# Altium PCB Copy of ToucanEyePCB.PcbDoc (part 2 of 3)
Units mil, origin at the board's own origin, x right, y up, seen from the top; angles counter-clockwise.
Board outline 2559.06 x 1377.95 mil, 6 copper layers (L1_Top Layer, L2_GND, L3_Signa1, L4_PWR/Signal2, L5_GND, L6_Bottom Layer), stack 35.685 mil thick; 192 components, 185 nets, 792 pads, 218 vias.
Unrouted connection lines stored in the file: 453.
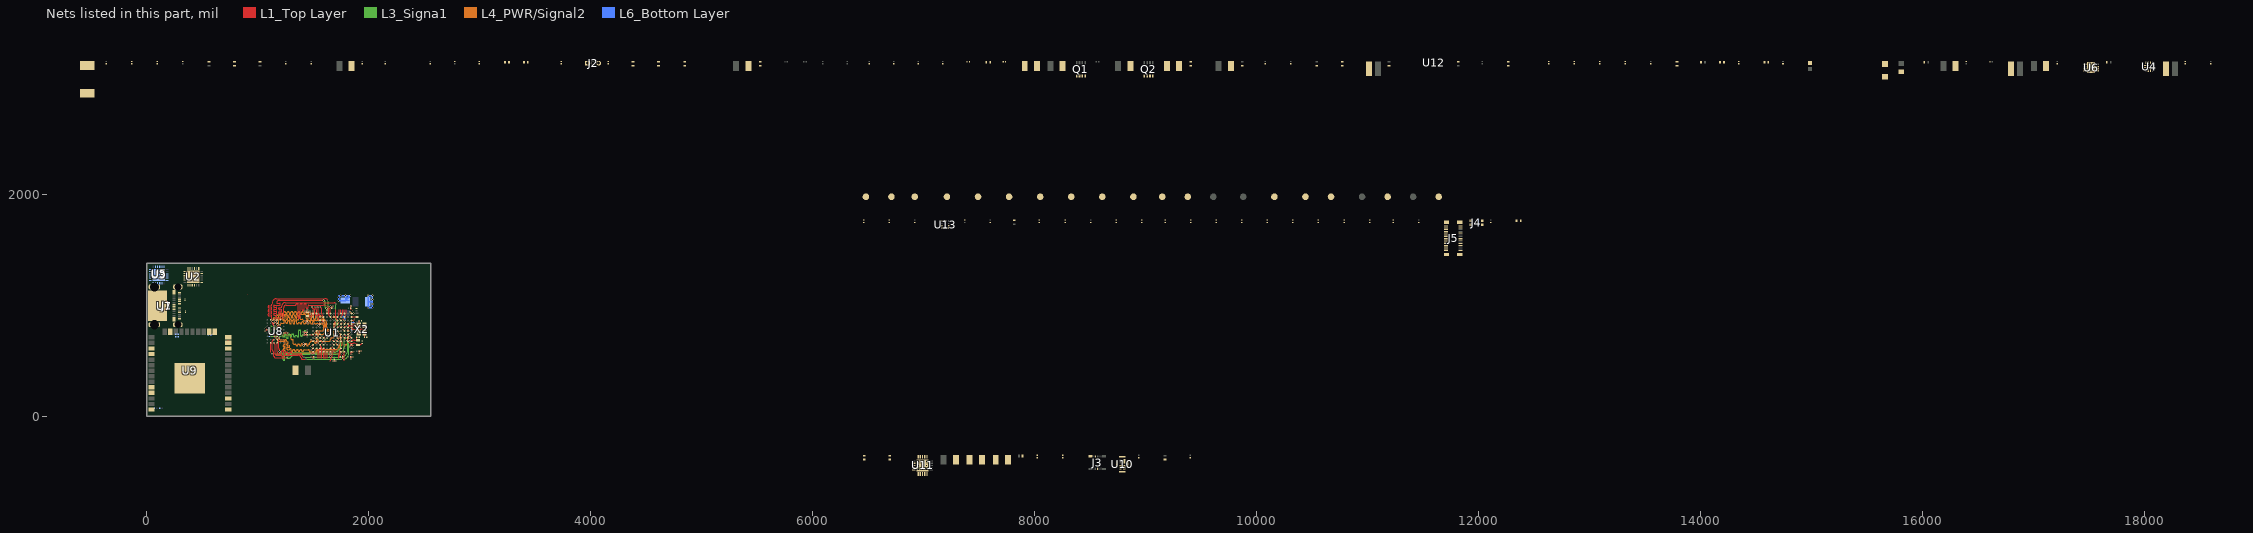
[diagram p6: the nets of this part, all layers, seen from the top]

## Part data (continued)
R45: "RES SMD 4.53K OHM 1% 1/20W 0201", Case/Package=0201, Case Code (Metric)=0603, Manufacturer=Panasonic, Manufacturer Part Number=ERJ-1GNF4531C, Max Operating Temperature=125°C, Max Power Dissipation=50mW, Min Operating Temperature=-55°C, Package Quantity=15000, Resistance=4.53kR, Supplier Part Number 1=667-ERJ-1GNF4531C, Temperature Coefficient=200ppm/°C, Tolerance=1%, Voltage Rating=25V, *PCBChecked=1, *SCHChecked=1, Case Code (Imperial)=0201, ComponentLink1Description=http://www.onlinecomponents.com/datasheet/erj-1gnf4531c.aspx?p=44466654, ComponentLink1URL=http://www.onlinecomponents.com/datasheet/erj-1gnf4531c.aspx?p=44466654, ComponentLink2Description=http://www.mouser.com/ds/2/315/AOA0000C283-1093288.pdf, ComponentLink2URL=http://www.mouser.com/ds/2/315/AOA0000C283-1093288.pdf, ComponentLink3Description=http://industrial.panasonic.com/www-cgi/jvcr13pz.cgi?E+PZ+3+AOA0002+ERJ1GNF4531C+7+WW, ComponentLink3URL=http://industrial.panasonic.com/www-cgi/jvcr13pz.cgi?E+PZ+3+AOA0002+ERJ1GNF4531C+7+WW, Composition="Thick Film", Contact Plating=Tin,Matte, Height=0.01inch, Length=0.024inch, Mount="Surface Mount", Number of Terminations=2, Packaging="Tape and Reel", Power Rating=50mW, Pricing 1="1=0.49, 10=0.045, 50=0.045, 100=0.018, 1000=0.013, 10000=0.007 (USD)", Radiation Hardening=No, Stock 1=33600, Supplier 1=Mouser, Width=0.012inch
R47: "RESISTOR, 0201, 0.05W, 1%, 470R", Case/Package=0201, Case Code (Metric)=0603, Manufacturer="Panasonic ECG", Manufacturer Part Number=ERJ-1GNF4700C, Max Operating Temperature=125°C, Max Power Dissipation=50mW, Min Operating Temperature=-55°C, Package Quantity=15000, Resistance=470R, Supplier Part Number 1=667-ERJ-1GNF4700C, Temperature Coefficient=200ppm/°C, Tolerance=1%, Voltage Rating=25V, *PCBChecked=1, *SCHChecked=1, Case Code (Imperial)=0201, ComponentLink1Description=https://datasheet.ciiva.com/43467/1678782-43467046.pdf, ComponentLink1URL=https://datasheet.ciiva.com/43467/1678782-43467046.pdf, ComponentLink2Description=https://datasheet.ciiva.com/7830/1678782-7830713.pdf, ComponentLink2URL=https://datasheet.ciiva.com/7830/1678782-7830713.pdf, ComponentLink3Description=https://datasheet.ciiva.com/24027/aoa0000ce2-24027045.pdf, ComponentLink3URL=https://datasheet.ciiva.com/24027/aoa0000ce2-24027045.pdf, ComponentLink4Description=https://datasheet.ciiva.com/46375/1678782-46375269.pdf, ComponentLink4URL=https://datasheet.ciiva.com/46375/1678782-46375269.pdf, Composition="Thick Film", Contact Plating=Tin,Matte, Height=0.01inch, Length=0.6mm, Mount="Surface Mount", Number of Pins=2, Number of Terminations=2, Packaging="Tape and Reel", Power Rating=50mW, Pricing 1="1=0.43, 10=0.039, 50=0.039, 100=0.016, 1000=0.011, 10000=0.006 (USD)", Radiation Hardening=No, REACH SVHC="No SVHC", Stock 1=65914, Supplier 1=Mouser, Voltage Rating (DC)=25V, Width=0.3mm
R49: "RESISTOR, 0201, 0.05W, 1%, 100R", Case/Package=0201, Case Code (Metric)=0603, Manufacturer="Panasonic ECG", Manufacturer Part Number=ERJ-1GNF1000C, Max Operating Temperature=125°C, Max Power Dissipation=50mW, Min Operating Temperature=-55°C, Package Quantity=15000, Resistance=100R, Supplier Part Number 1=667-ERJ-1GNF1000C, Temperature Coefficient=200ppm/°C, Tolerance=1%, Voltage Rating=25V, Case Code (Imperial)=0201, ComponentLink1Description=https://datasheet.ciiva.com/28514/1678782-28514079.pdf, ComponentLink1URL=https://datasheet.ciiva.com/28514/1678782-28514079.pdf, ComponentLink2Description=https://datasheet.ciiva.com/24162/aoa0000ce2-24162875.pdf, ComponentLink2URL=https://datasheet.ciiva.com/24162/aoa0000ce2-24162875.pdf, ComponentLink3Description=https://datasheet.ciiva.com/43467/1678782-43467030.pdf, ComponentLink3URL=https://datasheet.ciiva.com/43467/1678782-43467030.pdf, Composition="Thick Film", Contact Plating=Tin,Matte, Depth=0.3mm, Height=0.01inch, Lead Free="Lead Free", Length=0.6mm, Military Standard=Not, Mount="Surface Mount", Number of Pins=2, Number of Terminations=2, Packaging="Tape and Reel", Power Rating=50mW, Pricing 1="1=0.49, 10=0.045, 50=0.045, 100=0.018, 1000=0.013, 10000=0.007 (USD)", Radiation Hardening=No, REACH SVHC="No SVHC", Stock 1=169245, Supplier 1=Mouser, Termination=SMD/SMT, Voltage Rating (DC)=25V, Weight=6E-06oz, Width=0.012inch
R51 R52 R53 R54 R55 R56 R57 R58 R59 R60 R61 R62 R63 R64: "RESISTOR, 0201, 0.05W, 1%, 22R", Case/Package=0201, Case Code (Metric)=0603, Manufacturer="Panasonic ECG", Manufacturer Part Number=ERJ-1GNF22R0C, Max Operating Temperature=125°C, Max Power Dissipation=50mW, Min Operating Temperature=-55°C, Package Quantity=15000, Resistance=22R, Supplier Part Number 1=667-ERJ-1GNF22R0C, Temperature Coefficient=200ppm/°C, Tolerance=1%, Voltage Rating=25V, *PCBChecked=1, *SCHChecked=1, Case Code (Imperial)=0201, ComponentLink1Description=https://datasheet.ciiva.com/22737/1678782-22737559.pdf, ComponentLink1URL=https://datasheet.ciiva.com/22737/1678782-22737559.pdf, ComponentLink2Description=https://datasheet.ciiva.com/24023/aoa0000ce2-24023549.pdf, ComponentLink2URL=https://datasheet.ciiva.com/24023/aoa0000ce2-24023549.pdf, ComponentLink3Description=https://datasheet.ciiva.com/46375/1678782-46375727.pdf, ComponentLink3URL=https://datasheet.ciiva.com/46375/1678782-46375727.pdf, ComponentLink4Description=https://datasheet.ciiva.com/22737/1678782-22737558.pdf, ComponentLink4URL=https://datasheet.ciiva.com/22737/1678782-22737558.pdf, ComponentLink5Description=https://datasheet.ciiva.com/43467/1678782-43467014.pdf, ComponentLink5URL=https://datasheet.ciiva.com/43467/1678782-43467014.pdf, ComponentLink6Description=https://datasheet.ciiva.com/7909/aoa0000ce2-7909159.pdf, ComponentLink6URL=https://datasheet.ciiva.com/7909/aoa0000ce2-7909159.pdf, Composition="Thick Film", Height=0.01inch, Length=0.6mm, Mount="Surface Mount", Number of Pins=2, Number of Terminations=2, Packaging="Tape and Reel", Power Rating=50mW, Pricing 1="1=0.49, 10=0.045, 50=0.045, 100=0.018, 1000=0.013, 10000=0.007 (USD)", Radiation Hardening=No, REACH SVHC="No SVHC", Stock 1=64894, Supplier 1=Mouser, Voltage Rating (DC)=25V, Width=0.012inch
U2: Manufacturer=STMicroelectronics, Supplier Part Number 1=511-STUSB1602AQTR, *PCBChecked=1, *SCHChecked=1, Manufacturer Part Number=STUSB1602AQTR, Pricing 1="1=2.21, 10=1.88, 50=1.88, 100=1.5, 1000=1.09, 10000=0.976 (USD)", Stock 1=495, Supplier 1=Mouser
U3: "IC BATT CHARGER LI-ION 24VQFN", Case/Package=VQFN, Manufacturer="Texas Instruments", Max Operating Temperature=85°C, Max Output Current=4A, Max Output Voltage=4.2V, Max Supply Voltage=10.5V, Min Operating Temperature=-40°C, Min Supply Voltage=4.35V, Operating Supply Current=2A, Output Voltage=4.44V, Package Quantity=250, Supplier Part Number 1=595-BQ24250RGET, Switching Frequency=3kHz, ComponentLink1Description=https://datasheet.ciiva.com/18617/bq24250-18617532.pdf, ComponentLink1URL=https://datasheet.ciiva.com/18617/bq24250-18617532.pdf, ComponentLink2Description=https://datasheet.ciiva.com/30017/bq24250-30017517.pdf, ComponentLink2URL=https://datasheet.ciiva.com/30017/bq24250-30017517.pdf, ComponentLink3Description=https://datasheet.ciiva.com/18617/bq24250-18617531.pdf, ComponentLink3URL=https://datasheet.ciiva.com/18617/bq24250-18617531.pdf, ComponentLink4Description=https://datasheet.ciiva.com/30017/bq24250-30017529.pdf, ComponentLink4URL=https://datasheet.ciiva.com/30017/bq24250-30017529.pdf, ComponentLink5Description=https://datasheet.ciiva.com/18617/bq24250-18617530.pdf, ComponentLink5URL=https://datasheet.ciiva.com/18617/bq24250-18617530.pdf, Contact Plating=Nickel,Gold, Height=0.95mm, Lead Free="Lead Free", Length=4.15mm, Manufacturer Part Number=BQ24250RGET, Mount="Surface Mount", Number of Cells=1, Number of Pins=24, Output Current=2A, Packaging="Tape and Reel", Pricing 1="1=3.35, 10=3.02, 50=3.02, 100=2.47, 1000=1.78, 10000=1.69 (USD)", Radiation Hardening=No, Stock 1=3414, Supplier 1=Mouser, Width=4.15mm
U4: "TEXAS INSTRUMENTS         TPS62097RWKT             DC-DC Switching Buck (Step Down) Regulator, Adj., 2.5V-6Vin, 800mV-6V/2A out, 2.5 MHz, VQFN-11", Manufacturer="Texas Instruments", Max Input Voltage=6V, Max Operating Temperature=125°C, Min Input Voltage=2.5V, Min Operating Temperature=-40°C, Min Output Voltage=800mV, Output Current=2A, Quiescent Current=40uA, Supplier Part Number 1=595-TPS62097RWKT, Switching Frequency=2.5MHz, *PCBChecked=1, *SCHChecked=1, ComponentLink1Description=http://www.ti.com/general/docs/lit/getliterature.tsp?genericPartNumber=TPS62097&&fileType=pdf, ComponentLink1URL=http://www.ti.com/general/docs/lit/getliterature.tsp?genericPartNumber=TPS62097&&fileType=pdf, ComponentLink2Description=http://www.ti.com/lit/gpn/tps62097, ComponentLink2URL=http://www.ti.com/lit/gpn/tps62097, ComponentLink3Description=http://www.ti.com/lit/ds/symlink/tps62097.pdf, ComponentLink3URL=http://www.ti.com/lit/ds/symlink/tps62097.pdf, Lead Free="Lead Free", Manufacturer Part Number=TPS62097RWKT, Max Output Voltage=6V, Mount="Surface Mount", Number of Outputs=1, Number of Pins=11, Output Voltage=6V, Packaging="Cut Tape", Pricing 1="1=2.21, 10=1.88, 50=1.88, 100=1.5, 1000=1.09, 10000=0.974 (USD)", REACH SVHC="No SVHC", Stock 1=2062, Supplier 1=Mouser, Synchronous Rectifier=Yes
U5: "TEXAS INSTRUMENTS         BQ27532YZFT-G1             BATT GAS GAUGE & CTRL, LI-ION, DSBGA-15", Capacity=14500mAh, Manufacturer="Texas Instruments", Max Operating Temperature=85°C, Max Supply Voltage=4.5V, Min Operating Temperature=-40°C, Min Supply Voltage=2.8V, Operating Supply Current=118uA, Output Voltage=2.6V, Package Quantity=250, Supplier Part Number 1=595-BQ27532YZFT-G1, *PCBChecked=1, *SCHChecked=1, ComponentLink1Description=http://www.ti.com/lit/ds/symlink/bq27532-g1.pdf, ComponentLink1URL=http://www.ti.com/lit/ds/symlink/bq27532-g1.pdf, ComponentLink2Description=http://www.ti.com/general/docs/lit/getliterature.tsp?genericPartNumber=BQ27532-G1&&fileType=pdf, ComponentLink2URL=http://www.ti.com/general/docs/lit/getliterature.tsp?genericPartNumber=BQ27532-G1&&fileType=pdf, ComponentLink3Description=http://www.ti.com/general/docs/lit/getliterature.tsp?genericPartNumber=BQ27532-G1&amp;&amp;fileType=pdf, ComponentLink3URL=http://www.ti.com/general/docs/lit/getliterature.tsp?genericPartNumber=BQ27532-G1&amp;&amp;fileType=pdf, ComponentLink4Description=http://www.ti.com/lit/gpn/bq27532-g1, ComponentLink4URL=http://www.ti.com/lit/gpn/bq27532-g1, Contact Plating=Copper,Tin,Silver, Interface=I2C, Lead Free="Lead Free", Manufacturer Part Number=BQ27532YZFT-G1, Mount="Surface Mount", Number of Cells=1, Number of Pins=15, Packaging="Tape and Reel", Pricing 1="1=3.26, 10=2.93, 50=2.93, 100=2.4, 1000=1.73, 10000=1.58 (USD)", REACH SVHC="No SVHC", Stock 1=455, Supplier 1=Mouser
U6: "IC REG BUCK ADJ 0.7A 8VFQFPN", Manufacturer=STMicroelectronics, Max Input Voltage=18V, Max Operating Temperature=125°C, Max Output Current=700mA, Min Input Voltage=2.9V, Min Operating Temperature=-40°C, Min Output Voltage=600mV, Package Quantity=4000, Supplier Part Number 1=511-L5980TR, Switching Frequency=1MHz, *PCBChecked=1, *SCHChecked=1, ComponentLink1Description=https://datasheet.ciiva.com/4905/cd00148425-113999-4905896.pdf, ComponentLink1URL=https://datasheet.ciiva.com/4905/cd00148425-113999-4905896.pdf, ComponentLink2Description=https://datasheet.ciiva.com/16389/cd00148425-16389876.pdf, ComponentLink2URL=https://datasheet.ciiva.com/16389/cd00148425-16389876.pdf, ComponentLink3Description=https://datasheet.ciiva.com/41457/001185679-da-01-en-ic-reg-buck-adj-0-7a-l5980tr-vqfn-8-stm-41457535.pdf, ComponentLink3URL=https://datasheet.ciiva.com/41457/001185679-da-01-en-ic-reg-buck-adj-0-7a-l5980tr-vqfn-8-stm-41457535.pdf, ComponentLink4Description=https://datasheet.ciiva.com/26900/l5980tr-26900853.pdf, ComponentLink4URL=https://datasheet.ciiva.com/26900/l5980tr-26900853.pdf, ComponentLink5Description=https://datasheet.ciiva.com/2025/cd00148425-2025471.pdf, ComponentLink5URL=https://datasheet.ciiva.com/2025/cd00148425-2025471.pdf, ComponentLink6Description=https://datasheet.ciiva.com/17295/cd00148425-17295514.pdf, ComponentLink6URL=https://datasheet.ciiva.com/17295/cd00148425-17295514.pdf, ComponentLink7Description=https://datasheet.ciiva.com/2025/cd00148425-2025469.pdf, ComponentLink7URL=https://datasheet.ciiva.com/2025/cd00148425-2025469.pdf, ComponentLink8Description=https://datasheet.ciiva.com/2025/cd00148425-2025470.pdf, ComponentLink8URL=https://datasheet.ciiva.com/2025/cd00148425-2025470.pdf, Lead Free="Lead Free", Manufacturer Part Number=L5980TR, Max Output Voltage=18V, Mount="Surface Mount", Number of Outputs=1, Number of Pins=8, Operating Supply Voltage=18V, Output Current=700mA, Output Voltage=18V, Packaging="Tape and Reel", Pricing 1="1=2.27, 10=1.93, 50=1.93, 100=1.55, 1000=1.12, 10000=0.964 (USD)", Radiation Hardening=No, Stock 1=3724, Supplier 1=Mouser, Synchronous Rectifier=No
U7: "TVS DIODE 5.25VWM 17VC SOT666", Breakdown Voltage=6V, Capacitance=3.5pF, Case/Package=SOT-666, Clamping Voltage=17V, Leakage Current=150nA, Manufacturer=STMicroelectronics, Max Operating Temperature=125°C, Min Operating Temperature=-40°C, Operating Supply Voltage=5V, Package Quantity=1, Peak Pulse Current=5A, Power Line Protection=Yes, Supplier Part Number 1=511-USBLC6-2P6, Test Current=1mA, *PCBChecked=1, *SCHChecked=1, ComponentLink1Description=https://datasheet.ciiva.com/15143/getdatasheetpartid-98673-15143462.pdf, ComponentLink1URL=https://datasheet.ciiva.com/15143/getdatasheetpartid-98673-15143462.pdf, ComponentLink2Description=https://datasheet.ciiva.com/14186/usblc6-2-st-eng-tds-14186568.pdf, ComponentLink2URL=https://datasheet.ciiva.com/14186/usblc6-2-st-eng-tds-14186568.pdf, ComponentLink3Description=https://datasheet.ciiva.com/16378/cd00050750-16378714.pdf, ComponentLink3URL=https://datasheet.ciiva.com/16378/cd00050750-16378714.pdf, ComponentLink4Description=https://datasheet.ciiva.com/4508/cd00050750-4508892.pdf, ComponentLink4URL=https://datasheet.ciiva.com/4508/cd00050750-4508892.pdf, ComponentLink5Description=https://datasheet.ciiva.com/22685/1690354-22685832.pdf, ComponentLink5URL=https://datasheet.ciiva.com/22685/1690354-22685832.pdf, ComponentLink6Description=https://datasheet.ciiva.com/22692/1690354-22692453.pdf, ComponentLink6URL=https://datasheet.ciiva.com/22692/1690354-22692453.pdf, ComponentLink7Description=https://datasheet.ciiva.com/41444/001184108-da-01-en-ic-esd-protection-usblc6-2p6-sot-666-stm-41444134.pdf, ComponentLink7URL=https://datasheet.ciiva.com/41444/001184108-da-01-en-ic-esd-protection-usblc6-2p6-sot-666-stm-41444134.pdf, Contact Plating=Tin,Matte, Depth=1.3mm, Direction=Unidirectional,Bidirectional, Element Configuration=Dual, ESD Protection=Yes, Height=0.6mm, Lead Free="Lead Free", Length=1.7mm, Manufacturer Part Number=USBLC6-2P6, Max Breakdown Voltage=6V, Max Reverse Leakage Current=150nA, Min Breakdown Voltage=6V, Mount="Surface Mount", Number of Bidirectional Channels=2, Number of Channels=2, Number of Elements=1, Number of Pins=6, Packaging="Tape and Reel", Polarity=Unidirectional,Bidirectional, Pricing 1="1=0.49, 10=0.405, 50=0.405, 100=0.247, 1000=0.191, 10000=0.152 (USD)", Radiation Hardening=No, REACH SVHC="No SVHC", Reverse Breakdown Voltage=6V, Reverse Standoff Voltage=5V, Stock 1=6872, Supplier 1=Mouser, Termination=SMD/SMT, Width=1.3mm, Working Voltage=5V
U8: "PSRAM Async 64M-Bit 4M x 16 70ns 48-Pin TFBGA", Case/Package=TFBGA, Manufacturer=ISSI, Max Operating Temperature=85°C, Min Operating Temperature=-40°C, Supplier Part Number 1=870-66E4M16EBLL70BLI, *PCBChecked=1, *SCHChecked=1, Address Bus Width=22b, ComponentLink1Description=http://www.mouser.com/ds/2/198/66-67WVE4M16EALL-BLL-CLL-462616.pdf, ComponentLink1URL=http://www.mouser.com/ds/2/198/66-67WVE4M16EALL-BLL-CLL-462616.pdf, ComponentLink2Description=http://www.issi.com/WW/pdf/66-67WVE4M16EALL-BLL-CLL.pdf, ComponentLink2URL=http://www.issi.com/WW/pdf/66-67WVE4M16EALL-BLL-CLL.pdf, Density=64Mb, Manufacturer Part Number=IS66WVE4M16EBLL-70BLI, Number of Ports=1, Pricing 1="1=4.47, 10=3.94, 50=3.94, 100=3.53, 1000=3.01, 10000=2.85 (USD)", Stock 1=3544, Supplier 1=Mouser
U10: "MIC MEMS DIGITAL PDM OMNI -26DB", Manufacturer=STMicroelectronics, Max Operating Temperature=85°C, Max Supply Voltage=3.6V, Min Operating Temperature=-40°C, Min Supply Voltage=1.64V, Operating Supply Current=600uA, Operating Supply Voltage=1.8V, Package Quantity=4000, Supplier Part Number 1=511-MP34DT01TR, *PCBChecked=1, *SCHChecked=1, ComponentLink1Description=https://datasheet.ciiva.com/15098/getdatasheetpartid-495516-15098984.pdf, ComponentLink1URL=https://datasheet.ciiva.com/15098/getdatasheetpartid-495516-15098984.pdf, ComponentLink2Description=https://datasheet.ciiva.com/5300/dm00039779-100783-5300131.pdf, ComponentLink2URL=https://datasheet.ciiva.com/5300/dm00039779-100783-5300131.pdf, ComponentLink3Description=https://datasheet.ciiva.com/1/dm00039779-1998.pdf, ComponentLink3URL=https://datasheet.ciiva.com/1/dm00039779-1998.pdf, ComponentLink4Description=https://datasheet.ciiva.com/1/dm00039779-1997.pdf, ComponentLink4URL=https://datasheet.ciiva.com/1/dm00039779-1997.pdf, ComponentLink5Description=https://datasheet.ciiva.com/1/dm00039779-1996.pdf, ComponentLink5URL=https://datasheet.ciiva.com/1/dm00039779-1996.pdf, Contact Plating=Nickel,Gold, Depth=1mm, Direction=Omnidirectional, Height=1.1mm, Lead Free="Lead Free", Length=4mm, Manufacturer Part Number=MP34DT01TR, Number of Channels=2, Output Type=Digital, Packaging="Tape and Reel", Pricing 1="1=1.48, 10=1.25, 50=1.25, 100=1, 1000=0.725, 10000=0.625 (USD)", Shape=Rectangular, Signal to Noise Ratio (SNR)=63dB, Stock 1=10769, Supplier 1=Mouser, Termination=SMD/SMT, Voltage Rating=3.6V, Width=3mm
U11: "IC AMP AUDIO PWR 1.5W D 20QFN", Case/Package="VQFN EP", Dual Supply Voltage=5V, Manufacturer="Texas Instruments", Max Dual Supply Voltage=5.5V, Max Operating Temperature=85°C, Max Output Power=1.5W, Max Power Dissipation=2.5W, Min Operating Temperature=-40°C, Package Quantity=1, Power Supply Rejection Ratio (PSRR)=-91dB, Supplier Part Number 1=595-TPA2014D1RGPT, Voltage Gain=20dB, *PCBChecked=1, *SCHChecked=1, Common Mode Rejection Ratio=75dB, ComponentLink1Description=https://datasheet.ciiva.com/26117/slas559a-26117109.pdf, ComponentLink1URL=https://datasheet.ciiva.com/26117/slas559a-26117109.pdf, ComponentLink2Description=https://datasheet.ciiva.com/15131/getdatasheetpartid-48210-15131592.pdf, ComponentLink2URL=https://datasheet.ciiva.com/15131/getdatasheetpartid-48210-15131592.pdf, ComponentLink3Description=https://datasheet.ciiva.com/2969/tpa2014d1-2969824.pdf, ComponentLink3URL=https://datasheet.ciiva.com/2969/tpa2014d1-2969824.pdf, ComponentLink4Description=https://datasheet.ciiva.com/1789/tpa2014d1-1789239.pdf, ComponentLink4URL=https://datasheet.ciiva.com/1789/tpa2014d1-1789239.pdf, ComponentLink5Description=https://datasheet.ciiva.com/1789/tpa2014d1-1789237.pdf, ComponentLink5URL=https://datasheet.ciiva.com/1789/tpa2014d1-1789237.pdf, ComponentLink6Description=https://datasheet.ciiva.com/2967/tpa2014d1-2967858.pdf, ComponentLink6URL=https://datasheet.ciiva.com/2967/tpa2014d1-2967858.pdf, ComponentLink7Description=https://datasheet.ciiva.com/1789/tpa2014d1-1789238.pdf, ComponentLink7URL=https://datasheet.ciiva.com/1789/tpa2014d1-1789238.pdf, ComponentLink8Description=https://datasheet.ciiva.com/48706/001071077-da-01-en-ic-amp-audio-pw-tpa2014d1rgpt-qfn-20-tid-48706871.pdf, ComponentLink8URL=https://datasheet.ciiva.com/48706/001071077-da-01-en-ic-amp-audio-pw-tpa2014d1rgpt-qfn-20-tid-48706871.pdf, Gain=20dB, Lead Free="Lead Free", Manufacturer Part Number=TPA2014D1RGPT, Number of Pins=20, Output Power=1.5W, Packaging="Tape and Reel", Power Dissipation=2.5W, Pricing 1="1=2.27, 10=1.93, 50=1.93, 100=1.54, 1000=1.12, 10000=1.01 (USD)", Radiation Hardening=No, Stock 1=117, Supplier 1=Mouser, Supply Type=Dual, Weight=0.00163oz
U12: "LDO Voltage Regulators 200mA Lo IQ Lo-Noise LDO Reg", Dropout Voltage=250mV, Manufacturer="Texas Instruments", Max Input Voltage=6V, Max Operating Temperature=125°C, Max Power Dissipation=714mW, Min Current Limit=260mA, Min Input Voltage=2V, Min Operating Temperature=-40°C, Output Current=200mA, Output Voltage=1.5V, Package Quantity=250, Power Supply Rejection Ratio (PSRR)=80dB, Quiescent Current=30uA, Supplier Part Number 1=595-TLV70515YFPT, *PCBChecked=1, *SCHChecked=1, ComponentLink1Description=http://www.ti.com/lit/gpn/tlv705, ComponentLink1URL=http://www.ti.com/lit/gpn/tlv705, ComponentLink2Description=http://www.ti.com/lit/ds/symlink/tlv705.pdf, ComponentLink2URL=http://www.ti.com/lit/ds/symlink/tlv705.pdf, Lead Free="Lead Free", Manufacturer Part Number=TLV70515YFPT, Mount="Surface Mount", Number of Outputs=1, Number of Pins=4, Number of Regulators=1, Packaging="Tape and Reel", Pricing 1="1=0.62, 10=0.513, 50=0.513, 100=0.313, 1000=0.242, 10000=0.192 (USD)", Stock 1=250, Supplier 1=Mouser
U13: Manufacturer=STMicroelectronics, Supplier Part Number 1=511-LIS2DW12TR, *PCBChecked=1, *SCHChecked=1, Manufacturer Part Number=LIS2DW12TR, Stock 1=0, Supplier 1=Mouser
X1: "32.768kHz ±20ppm Crystal 9pF 90 kOhm -40°C ~ 85°C  Surface Mount 2-SMD", Case/Package=SMD/SMT, ESR (Equivalent Series Resistance)=90kR, Frequency=32.768kHz, Frequency Tolerance=20ppm, Load Capacitance=9pF, Manufacturer=Abracon, Max Operating Temperature=85°C, Min Operating Temperature=-40°C, Package Quantity=3000, Supplier Part Number 1=815-ABS05-32.768K9T, *PCBChecked=1, *SCHChecked=1, ComponentLink1Description=https://datasheet.ciiva.com/12387/abs05-25797-12387306.pdf, ComponentLink1URL=https://datasheet.ciiva.com/12387/abs05-25797-12387306.pdf, ComponentLink2Description=https://datasheet.ciiva.com/48668/abs05-48668569.pdf, ComponentLink2URL=https://datasheet.ciiva.com/48668/abs05-48668569.pdf, ComponentLink3Description=https://datasheet.ciiva.com/16411/abs05-16411147.pdf, ComponentLink3URL=https://datasheet.ciiva.com/16411/abs05-16411147.pdf, ComponentLink4Description=https://datasheet.ciiva.com/6728/abs05-6728951.pdf, ComponentLink4URL=https://datasheet.ciiva.com/6728/abs05-6728951.pdf, ComponentLink5Description=https://datasheet.ciiva.com/6728/abs05-6728952.pdf, ComponentLink5URL=https://datasheet.ciiva.com/6728/abs05-6728952.pdf, ComponentLink6Description=https://datasheet.ciiva.com/6728/abs05-6728953.pdf, ComponentLink6URL=https://datasheet.ciiva.com/6728/abs05-6728953.pdf, Depth=1mm, Height=0.02inch, Lead Free="Lead Free", Length=1.6mm, Manufacturer Part Number=ABS05-32.768KHZ-9-T, Mount="Surface Mount", Number of Pins=2, Packaging="Tape and Reel", Pricing 1="1=1.6, 10=1.54, 50=1.51, 100=1.29, 1000=1.01, 10000=0.885 (USD)", Radiation Hardening=No, REACH SVHC="No SVHC", Series Resistance=90kR, Stock 1=11805, Supplier 1=Mouser, Termination=SMD/SMT, Tolerance=20ppm, Width=0.039inch
X2: Freq=16MHz, Manufacturer="Kyocera AVX", Supplier Part Number 1=581-CX2520DB16F0FDFC, *PCBChecked=1, *SCHChecked=1, Manufacturer Part Number=CX2520DB16000F0FDFC1, Stock 1=0, Supplier 1=Mouser
J2 TP1 TP2 TP3 TP4 TP5 TP6 TP7 TP8 TP9 TP10 TP11 TP12 TP13 TP14 TP15 TP16 TP17 TP18 TP19 TP20 TP21: *PCBChecked=1, *SCHChecked=1
U1: *SCHChecked=1, Supplier=MASTERS, Symbol=STM32L4R9ZIJ6, Symbol supplier=STM32L4R9ZIJ6
U9: *PCBChecked=1, *SCHChecked=1, Name=WROOM-32

## Via types
v1: diameter 16, hole 5.91, L1_Top Layer to L6_Bottom Layer, tented both sides, 60 vias
v2: diameter 16, hole 5.91, L1_Top Layer to L2_GND, tented both sides, 50 vias
v3: diameter 16, hole 5.91, L1_Top Layer to L3_Signa1, tented both sides, 45 vias
v4: diameter 16, hole 5.91, L1_Top Layer to L4_PWR/Signal2, tented both sides, 35 vias
v5: diameter 16, hole 5.91, L5_GND to L6_Bottom Layer, tented both sides, 13 vias
v6: diameter 11.81, hole 11.81, L1_Top Layer to L6_Bottom Layer, 9 vias
v7: diameter 7.87, hole 7.87, L1_Top Layer to L6_Bottom Layer, 5 vias
v8: diameter 16, hole 5.91, L1_Top Layer to L3_Signa1, tented top, 1 vias

## Nets (pads, with @x,y where several pads share a name; then routed paths per layer and width w, separated by ;. In a path a pad name is that pad's centre, name@x,y a point inside that pad or via, vN(x,y) a via of type N, cw(c..) or ccw(c..) an arc to the next point about the centre after c; other vN are vias at no path point)
A_B_SIDE_USB_C: R15.1 U1.F6 U2.17 | length 22.5
  L1_Top Layer w6: U1.F6@1688.29,735.5 cw(c1689.73,735.5) 1688.71,736.51 v1(1703.8,751.6)
ALERT_USB_C: R14.1 U1.E8 U2.9 | length 2.8
  L1_Top Layer w6: U1.E8@1625.3,704 ccw(c1625.3,707.62) U1.E8@1627.86,705.06
  other v1: 1608.5,689.5
AMP_GAIN: U1.J3 U11.3 | length 22.5
  L1_Top Layer w6: U1.J3@1782.78,829.98 ccw(c1782.78,834.1) 1785.68,831.18 v1(1799.3,844.8)
AMP_S\D\b\: U1.K5 U11.6 | length 100.9
  L1_Top Layer w6: 1703.4,957.3 1703.4,894 ccw(c1742.35,894) 1714.81,866.46 U1.K5@1719.79,861.48
AMP_S\D\d\: U1.L5 U11.5 | length 69.5
  L1_Top Layer w6: U1.L5@1719.79,892.98 ccw(c1682.34,930.43) 1735.3,930.43 1735.3,958.3
BAT+: C26.1 C43.2 J2.1 TP9.1 U3.11 U3.12 U5.E2
BAT-: C45.1 J2.3 R25.2 U5.A1
BOOT0: R39.2 TP18.1 U1.A4 | length 49
  L1_Top Layer w9.5: R39.2@1744.57,532.8 1744.57,571.3 cw(c1751.28,571.3) U1.A4@1751.28,578.02
BSCL: U3.6 U5.B2
BSDA: U3.5 U5.C3
BT_CS: U1.A3 U9.23 | length 81.5
  L1_Top Layer w6: 1782.78,496.48 U1.A3@1782.78,578.02
BT_IRQ: U1.E4 U9.12 | length 22.9
  L1_Top Layer w8: U1.E4@1751.28,704 1751.28,704.18 1767.2,720.1 v1(1767.4,720.1)
BT_MISO: U1.H4 U9.14 | length 20.8
  L1_Top Layer w6: U1.H4@1751.28,798.49 1751.39,798.49 v1(1766,813.1)
BT_MOSI: U1.J2 U9.16 | length 22.1
  L1_Top Layer w6: U1.J2@1814.28,829.98 ccw(c1814.28,832.42) 1815.99,830.69 v1(1830.3,845)
BT_SCK: U1.M11 U9.13 | length 88.1
  L1_Top Layer w6: U9.13@735.56,658.43 735.56,682.75 ; v1(1515,983) 1522.2,975.8 cw(c1501.42,955.01) 1530.81,955.01 U1.M11@1530.81,924.47
BT_UART_RX: R32.1 R35.1 TP20.1 U1.B7 | length 21.4
  L1_Top Layer w6: U1.B7@1656.8,609.51 1657.11,609.51 1671.8,624.2 v1(1671.8,624.5)
BT_UART_TX: R33.1 R34.1 TP19.1 U1.L3 | length 81.1
  L1_Top Layer w6: U1.L3@1782.78,892.98 1785.02,895.22 ccw(c1752.24,928) 1798.6,928 1798.6,958.9
  L6_Bottom Layer w10: R34.1@576.43,734.1 587.07,734.1
BUTTON: J4.1 R65.2 U1.K3 | length 21.3
  L1_Top Layer w6: v1(1767.5,876.1) 1781.65,861.95 ccw(c1782.78,863.08) U1.K3@1782.78,861.48
CAM_D0: R51.1 U1.D12 | length 24.6
  L1_Top Layer w6: v1(1480.6,686.6) 1483.1,686.6 1497.2,672.5 U1.D12@1499.32,672.5
CAM_D1: R53.1 U1.E9 | length 22.6
  L1_Top Layer w6: U1.E9@1593.8,704 ccw(c1593.8,706.65) 1595.68,704.78 1609.5,718.6 1609.3,718.8 v1(1609.3,719.5)
CAM_D2: R54.1 U1.E10 | length 22.3
  L1_Top Layer w6: U1.E10@1562.31,704 1577.4,719.09 v1(1577.4,720)
CAM_D3: R55.1 U1.C12 | length 26.6
  L1_Top Layer w6: v1(1484.4,625.4) v1@1483.71,625.4 ; U1.C12@1499.32,641.01 1484.05,625.75 v1@1483.71,625.4 ; v1@1483.71,625.4 1482.9,624.6 1482.1,625.4 v1@1483.71,625.4
CAM_D4: R56.1 U1.A9 | length 59.5
  L1_Top Layer w6: 1593.8,518.5 U1.A9@1593.8,578.02
CAM_D5: R57.1 U1.A8 | length 59.4
  L1_Top Layer w6: 1625.3,518.6 U1.A8@1625.3,578.02
CAM_D6: R58.1 U1.B4 | length 95.5
  L1_Top Layer w6: 1730,520.3 1730,545.58 cw(c1735.12,545.58) 1731.5,549.2 ccw(c1726.72,553.98) 1733.48,553.98 1733.48,572.09 cw(c1780.85,572.09) 1747.36,605.58 U1.B4@1751.28,609.51
CAM_D7: R59.1 U1.D4 | length 25.4
  L1_Top Layer w6: v1(1735.5,656.72) U1.D4@1751.28,672.5 U1.D4@1753.46,674.68
CAM_D8: R60.1 U1.C9 | length 1.5
  L1_Top Layer w6: U1.C9@1593.8,641.01 cw(c1595.73,641.01) U1.C9@1594.36,642.36
  other v1: 1609.3,657.2
CAM_D9: R61.1 U1.D9 | length 23
  L1_Top Layer w6: v1(1577.9,656.5) 1593.8,672.4 U1.D9@1593.8,672.5 U1.D9@1594.2,672.5
CAM_HSYNC: R63.1 U1.K4 | length 22.2
  L1_Top Layer w6: v1(1735.1,876.3) 1748.95,862.45 ccw(c1751.28,864.77) U1.K4@1751.28,861.48
CAM_PIXCLK: R52.2 U1.J4 | length 22.1
  L1_Top Layer w6: U1.J4@1751.28,829.98 ccw(c1751.28,832.4) 1752.99,830.69 v1(1767.3,845)
CAM_PWDN: J5.18 U1.K10 | length 161.3
  L1_Top Layer w6: v1(1490,983) 1490,980.59 ccw(c1506.69,980.59) 1506.69,963.9 cw(c1506.69,955.4) 1515.19,955.4 1515.19,919.7 ccw(c1526.29,919.7) 1526.29,908.6 1531.08,908.6 cw(c1531.08,893.25) 1546.44,893.25 1546.44,887.3 ccw(c1570.45,887.3) 1553.47,870.32 U1.K10@1562.31,861.48
CAM_RESET: J5.30 U1.L10 | length 96.8
  L1_Top Layer w6: v1(1540,983) cw(c1524.46,967.46) 1546.44,967.46 1546.44,924 ccw(c1560.79,924) 1550.64,913.85 1555.8,908.7 cw(c1540.08,892.98) U1.L10@1562.31,892.98
CAM_SIO_C: J5.25 U1.L9 | length 99.8
  L1_Top Layer w6: v1(1564,983) 1568.1,978.9 cw(c1544.37,955.17) 1577.93,955.17 1577.93,919.4 ccw(c1603.41,919.4) 1585.39,901.39 U1.L9@1593.8,892.98
CAM_SIO_D: J5.27 U1.K9 | length 23.3
  L1_Top Layer w6: v1(1577.1,845.5) 1577.82,845.5 U1.K9@1593.8,861.48
CAM_VSYNC: R64.2 U1.C5 | length 22.1
  L1_Top Layer w6: v1(1704.4,656.7) 1704.4,656.4 U1.C5@1719.79,641.01
CAM_XVCLK: R62.1 U1.D11 | length 26.1
  L1_Top Layer w6: U1.D11@1528.35,670.04 U1.D11@1530.81,672.5 1546.42,656.9 v1(1545.9,656.9)
CC1_USB: D2.2 J1.A5 R16.1 U2.2
CC2_USB: D3.2 J1.B5 R17.1 U2.4
DAC_CPU: C61.1 U1.L4 | length 69.9
  L1_Top Layer w6: U1.L4@1751.28,892.98 1755.93,897.62 ccw(c1730.65,922.9) 1766.4,922.9 1766.4,958.2
DBG_UART_RX: TP4.1 U1.C10 | length 126.9
  L1_Top Layer w6: U1.C10@1562.31,641.01 ccw(c1586.25,641.01) 1569.32,624.08 1570.99,622.41 cw(c1552.39,603.8) 1578.7,603.8 1578.7,518.7
DBG_UART_TX: TP1.1 U1.D10 | length 25.2
  L1_Top Layer w6: U1.D10@1562.31,672.5 1563.6,672.5 1578.3,687.2 1577.5,687.2 1577.4,687.3 v1(1577.4,689.5)
DC_SCL: R13.1 U1.D5 U2.7 U5.A3 U13.1 | length 21.6
  L1_Top Layer w6: v1(1704.6,687.8) 1704.6,687.69 U1.D5@1719.79,672.5
DC_SDA: R12.1 U1.C6 U2.8 U5.B3 U13.4 | length 22.3
  L1_Top Layer w6: v1(1672.1,655.8) 1672.1,655.5 1685.39,642.21 ccw(c1688.29,645.11) U1.C6@1688.29,641.01
DUSB_MCU_N: U1.B12 U7.6 | length 23.7
  L1_Top Layer w4.72: v1(1483.6,594.4) 1483.6,593.8 1483.3,593.5 U1.B12@1499.32,609.51
DUSB_MCU_P: U1.B11 U7.4 | length 22.6
  L1_Top Layer w4.72: v1@1515.1,593.4 v1(1515.1,593.8) U1.B11@1530.81,609.51
DUSB_N: J1.A7 J1.B7 U7.1
DUSB_P: J1.A6 J1.B6 U7.3
EN1_BATMAN: R42.1 U1.M3 U3.3 | length 34.7
  L1_Top Layer w6: U1.M3@1782.78,924.47 1782.78,959.12
EN2_BATMAN: R41.1 U1.M4 U3.2 | length 33.2
  L1_Top Layer w6: U1.M4@1751.28,924.47 1751.28,957.72
ESP_PROG_RX: R32.2 TP17.1 U9.34
ESP_PROG_TX: R33.2 TP16.1 U9.35
ESP_RESET: R31.1 U9.3
GND: C1.1 C2.1 C3.1 C4.1 C5.1 C6.2 C7.2 C8.2 C9.2 C10.1 C11.2 C12.2 C13.2 C14.2 C15.2 C16.2 C17.2 C19.2 C20.2 C21.1 C22.1 C23.2 C24.2 C25.2 C26.2 C27.2 C28.1 C30.1 C31.2 C32.1 C33.1 C34.1 C35.1 C36.1 C37.1 C38.1 C39.1 C40.1 C41.2 C42.1 C43.1 C44.1 C45.2 C46.1 C47.1 C48.1 C49.1 C50.1 C51.1 C52.1 C53.2 C54.2 C55.1 C56.1 C57.1 C58.2 C59.2 C60.2 C62.1 C63.1 C67.1 C68.1 C69.1 C70.1 C71.1 C72.2 C73.2 C74.1 D1.1 D2.1 D3.1 J1.1 J1.2 J1.3 J1.4 J1.A1 J1.A12 J1.B1 J1.B12 J1.B13 J3.4 J3.5 J3.11 J4.2 J5.4 J5.10 J5.16 J5.22 J5.29 J5.TP R2.1 R4.1 R18.2 R19.1 R21.1 R25.1 R27.1 R28.1 R29.1 R37.1 R39.1 R44.2 R46.1 TP3.1 TP6.1 TP10.1 TP13.1 U1.A1 U1.A7 U1.A12 U1.C1 U1.F11 U1.G2 U1.J10 U1.K1 U1.L6 U1.M1 U1.M12 U2.3 U2.10 U2.13 U2.25 U3.1 U3.4 U3.15 U3.16 U3.25 U4.1 U4.11 U5.B1 U5.C1 U5.C2 U6.3 U6.7 U7.2 U8.D1 U8.E6 U9.1 U9.15 U9.38 U9.39 U10.5 U11.4 U11.9 U11.10 U11.20 U11.21 U12.A1 U13.3 U13.5 U13.6 U13.7 U13.8 X2.2 X2.4 | length 1924
  L1_Top Layer w0: U1.M12@1499.32,924.47 U1.M12@1499.32,928.7 ; v2@1701.85,494.45 v2@1702.4,495 ; C22.1@1835.77,535.45 C22.1@1838.43,532.8
  L1_Top Layer w6: v2(1413.8,636.5) 1414.9,636.5 1423.6,645.2 1423.9,645.2 ; v2(1413.8,655) 1414.1,655 1423.9,645.2 ; C6.2@1430.27,645.2 1423.9,645.2 ; v2(1682.7,494.5) 1683.4,494.5 1692.6,503.7 ; C12.2@1692.6,510.27 1692.6,503.7 ; v2@1701.85,494.45 1692.6,503.7
  L1_Top Layer w10: v2(1070,765.9) 1081.58,777.48 U8.E6@1082.62,777.48 ; v2(1070,790.1) U8.E6@1082.62,777.48 ; U8.E6@1088.54,777.48 U8.E6@1082.62,777.48 ; U8.D1@1236.18,747.96 U8.D1@1242.46,747.96 ; v2(1253.7,759.2) U8.D1@1242.46,747.96 ; v2(1272.5,746.9) 1271.44,747.96 U8.D1@1242.46,747.96 ; v2(1414.1,757) 1415.2,757 1416.5,755.7 ccw(c1419.46,758.66) 1419.46,754.47 C32.1@1449.1,754.47 ccw(c1449.1,737.75) 1437.28,749.58 v2(1430.6,742.9) 1434.89,738.61 ccw(c1449.1,752.83) C14.2@1449.1,732.73 1421.51,732.73 ccw(c1421.51,726.49) v2@1417.1,730.9 ; v2(1425.9,941.2) 1431.28,935.82 C47.1@1449.1,935.82 ; v2(1427.4,854.1) 1427.87,854.57 C35.1@1448.5,854.57 v2(1448.5,836.8) ; v2(1449,955.5) 1449,935.92 C47.1@1449.1,935.82 ; v2(1472.3,940.4) 1467.72,935.82 C47.1@1449.1,935.82 ; v2(1473.9,919.7) 1494.54,919.7 U1.M12@1499.32,924.47 1499.4,924.56 v2(1499.4,948.4) ; v2(1481.5,556) 1481.5,560.2 U1.A12@1499.32,578.02 1507.1,570.23 v2(1507.1,556) ; v2(1483.9,532.4) 1484.3,532.8 C34.1@1504.97,532.8 1504.97,513.27 v2(1504.5,512.8) ; v2(1514.6,719.6) 1515.2,719.6 1530.81,735.21 U1.F11@1530.81,735.5 ; U1.F11@1530.6,735.5 U1.F11@1530.81,735.5 ; v2(1545.4,720) 1545.4,720.91 U1.F11@1530.81,735.5 ; v2(1547.5,845.2) 1547.5,843.8 1561.32,829.98 U1.J10@1562.31,829.98 v2(1547.72,815.4) ; v2(1656,987.6) 1656,986.9 1667.07,975.83 C36.1@1667.07,975.77 ; v2(1656.4,537.2) 1656.8,536.8 v2@1656.8,559.4 ; v2@1656.8,560.4 U1.A7@1656.8,578.02 ; C36.1@1667.07,970.4 C36.1@1667.07,975.77 ; v2(1673.3,877.1) 1673.3,877.98 U1.L6@1688.29,892.98 ; v2(1673.8,907.7) 1673.8,907.47 U1.L6@1688.29,892.98 ; v2(1679,988.3) 1679,987.7 C36.1@1667.07,975.77 ; U1.L6@1688.78,892.98 U1.L6@1688.29,892.98 ; U1.L6@1688.98,891.32 cw(c1690.63,892.98) U1.L6@1688.29,892.98 ; v2(1766,510.6) 1766,532.57 R39.1@1766.23,532.8 1766.23,556.07 v2(1766,556.3) ; v2(1799.9,781.37) U1.G2@1814.28,766.99 ; U1.G2@1815.61,766.99 U1.G2@1814.28,766.99 ; v2(1829.2,781.92) U1.G2@1814.28,766.99 ; v2(1830.8,626) U1.C1@1845.77,641.01 ; v2(1831.7,938.9) 1831.7,938.54 U1.M1@1845.77,924.47 ; v2(1838.4,514.6) C22.1@1838.43,532.8 ; C22.1@1838.43,532.8 1838.73,533.1 1838.93,532.9 v2(1856.7,532.9) ; C37.1@1840.33,970.8 v2(1840.3,991.5) ; C37.1@1840.33,970.8 1840.33,959.67 v2(1847.3,952.7) ; U1.M1@1845.3,925.6 1845,925.3 U1.M1@1845.77,924.47 U1.M1@1845.77,924.47 ; v2@1845.77,557.2 U1.A1@1845.77,578.02 1845.77,578.2 v2(1866.3,578.2) ; U1.K1@1845.77,861.48 1859.18,861.48 ; U1.C1@1846.32,639.68 cw(c1847.66,641.01) U1.C1@1845.77,641.01 1847.53,640.97 v2@1861.7,626.8 ; v2(1864.5,924.3) 1846.14,924.3 1846.04,924.2 U1.M1@1845.77,924.47 ; v2(1870.2,871.2) 1868.9,871.2 1859.18,861.48 ; v2(1870.5,851) 1869.66,851 1859.18,861.48 ; v2@1915.03,564.93 v2(1915.03,566.3) C33.1@1915.03,585.5 1915.43,585.9 v2(1933.7,585.9)
  L6_Bottom Layer w0: C13.2@1792.3,1044.21 1794.61,1044.21 C13.2@1825.7,1044.21
  L6_Bottom Layer w10: v5(1750.3,892.3) 1771.46,892.3 cw(c1771.46,874.89) C20.2@1783.77,887.2
  L6_Bottom Layer w12: C20.2@1783.77,887.2 1783.77,863.43 v5(1783.9,863.3) ; C13.2@1792.3,1039.3 C13.2@1792.2,1039.3 ; C13.2@1792.3,1044.21 v5@1792.3,1085.1 ; C13.2@1794.61,1044.21 v5(1835.5,1085.1) v5@1792.3,1085.1 ; C13.2@1792.2,1039.3 v5(1792.2,1085.1) ; C13.2@1792.2,1039.3 v5(1729.5,1039.3) v5(1729.5,1070.4) 1729.5,1085.1 v5(1749,1085.1) v5(1792.2,1085.1) ; v5(1792.2,1085.1) v5@1792.3,1085.1 ; C15.2@1992.21,1030 1995.8,1026.41 v5(1995.8,975.1) v5(2034.5,975.1) v5(2034.5,1010.1) 2034.5,1031.2 ; C15.2@1992.21,1030 1995.8,1033.59 v5(1995.8,1085.1) v5(2034.5,1085.1) v5(2034.5,1050.1) 2034.5,1031.2 ; C15.2@1992.21,1030 2033.3,1030 2034.5,1031.2
  other v2: 1701.85,494.5 1846.1,557.2 1656.4,558.4 1861.7,626 1414,730.9
  other v6: 6954.57,-480.43 6990,-480.43 7025.43,-480.43 6954.57,-445 6990,-445 7025.43,-445 6954.57,-409.57 6990,-409.57 7025.43,-409.57
INT_BATCHAR: R40.1 U1.G3 U3.8 | length 22.8
  L1_Top Layer w6: v1(1766.4,782.7) cw(c1766.4,781.08) 1767.55,782.22 U1.G3@1782.78,766.99
JTCK/SWCLK: TP11.1 U1.A10 | length 58.3
  L1_Top Layer w6: 1562.31,519.71 U1.A10@1562.31,578.02
JTDI: TP14.1 U1.B9 | length 96.3
  L1_Top Layer w6: U1.B9@1593.8,609.51 1598.83,604.49 cw(c1572.34,578) 1609.8,578 1609.8,518.2
JTDO/SWO: TP7.1 U1.B6 | length 126.4
  L1_Top Layer w6: 1653.9,492.3 1653.9,497.84 cw(c1690.98,497.84) 1664.76,524.06 ccw(c1643.42,545.4) 1673.6,545.4 1673.6,574.1 cw(c1723.62,574.1) U1.B6@1688.29,609.51 U1.B6@1688.29,609.51
JTMS/SWDIO: TP8.1 U1.B10 | length 93.9
  L1_Top Layer w6: 1546.6,519.8 1546.6,571.59 cw(c1600.23,571.59) U1.B10@1562.31,609.51
LDO_BATMAN: C24.1 R20.2 U3.24
LED: D4.2 U1.H5 | length 20.8
  L1_Top Layer w6: U1.H5@1719.79,798.49 1720.09,798.49 1734.4,812.8 v1(1734.7,812.8)
LIS_INT: R66.2 U1.D6 | length 22.6
  L1_Top Layer w6: v1(1672.8,688) 1672.4,687.6 cw(c1672.4,685.68) 1673.76,687.04 U1.D6@1688.29,672.5
MANBAT_INT: R43.1 U1.F2 U5.A2 | length 22.5
  L1_Top Layer w6: U1.F2@1814.28,735.5 1829.2,750.42 1829.2,751.5 v1(1829.4,751.7)
MIC_CKOUT: U1.E11 U10.3 | length 22.4
  L1_Top Layer w6: v1(1515,688.19) U1.E11@1530.81,704
MIC_DATIN: U1.J5 U10.4 | length 22.2
  L1_Top Layer w6: U1.J5@1719.79,829.98 1720.28,829.98 1735.4,845.1 v1(1735.4,844.8)
MIC_LR: R36.1 U1.H3 U10.2 | length 21.5
  L1_Top Layer w6: U1.H3@1782.78,798.49 v1(1798,813.7)
NetC1_2: C1.2 Q1.1 Q1.2 Q1.3 Q2.1 Q2.2 Q2.3 R5.2 U2.24
NetC2_2: C2.2 U2.23
NetC3_2: C3.2 U2.21
NetC10_2: C10.2 U4.9
NetC11_1: C11.1 U3.20
NetC18_1: C18.1 U3.21
NetC18_2: C18.2 L2.1 U3.17 U3.18
NetC28_2: C28.2 R22.2 R23.2 U5.E3
NetC44_2: C44.2 R24.2 U5.D3
NetC47_2: C47.2 U1.L12 | length 52.7
  L1_Top Layer w10: C47.2@1448.6,900.38 1481.43,900.38 cw(c1481.43,875.09) U1.L12@1499.32,892.98
NetC52_2: C52.2 U1.D2 X1.2 | length 141.8
  L1_Top Layer w8: U1.D2@1814.28,672.5 1814.4,672.5 1821.4,665.5 ccw(c1842.16,686.26) 1842.16,656.9 1861.54,656.9 cw(c1861.54,596.29) X1.2@1904.4,639.15 1905.82,639.15 ccw(c1905.82,690.45) C52.2@1942.1,654.17
NetC53_1: C53.1 U1.D1 X1.1 | length 87.6
  L1_Top Layer w8: U1.D1@1845.77,672.5 cw(c1869.79,648.48) 1869.79,682.45 X1.1@1894.57,682.45 ; C53.1@1894.57,708.8 X1.1@1894.57,682.45 ; X1.1@1904.4,682.45 X1.1@1894.57,682.45
NetC54_1: C54.1 U1.H1 X2.3 | length 194.7
  L1_Top Layer w8: U1.H1@1845.77,798.49 ccw(c1860.96,798.49) 1860.96,783.3 1930.03,783.3 cw(c1930.03,749.74) X2.3@1963.4,753.34 ; C54.1@1962.87,708.6 1963.4,708.6 X2.3@1963.4,753.34 ; X2.3@1963.4,753.34 cw(c1930.03,749.74) X2.3@1963.59,749.74 1963.59,753.34 X2.3@1963.4,753.34
NetC55_2: C55.2 U1.H2 X2.1 | length 149.8
  L1_Top Layer w8: U1.H2@1814.28,798.49 cw(c1829.19,798.49) 1829.19,813.4 1909.14,813.4 ccw(c1909.14,816.66) X2.1@1912.41,816.66 1914.17,818.43 C55.2@1914.17,857.2
NetC58_1: C58.1 C59.1 R38.2 U11.16 U11.17
NetC61_2: C61.2 U11.8
NetC62_2: C62.2 U11.7
NetC64_1: C64.1 R47.2
NetC65_1: C65.1 R45.1 R46.2 R47.1 R48.2 U6.5
NetC65_2: C65.2 C66.1 U6.4 U6.9
NetC66_2: C66.2 R48.1
NetD1_2: D1.2 L4.1 U6.1
NetD4_1: D4.1 R49.1
NetFB1_2: FB1.2 J1.A4 J1.A9
NetFB2_2: FB2.2 U1.L1 | length 50.8
  L1_Top Layer w10: U1.L1@1845.77,892.98 FB2.2@1896.6,892.64
NetJ5_1: J5.1 R51.2
NetJ5_2: J5.2 R52.1
NetJ5_3: J5.3 R53.2
NetJ5_5: J5.5 R54.2
NetJ5_7: J5.7 R55.2
NetJ5_9: J5.9 R56.2
NetJ5_11: J5.11 R57.2
NetJ5_13: J5.13 R58.2
NetJ5_15: J5.15 R59.2
NetJ5_17: J5.17 R60.2
NetJ5_19: J5.19 R61.2
NetJ5_21: J5.21 R62.2
NetJ5_23: J5.23 R63.2
NetJ5_24: J5.24 R64.1
NetL1_1: L1.1 U4.2
NetL3_2: L3.2 U11.18 U11.19
NetQ1_4: Q1.4 Q2.4 R5.1 R7.2
NetR1_1: R1.1 R2.2 U4.4
NetR3_1: R3.1 U4.5
NetR4_2: R4.2 U4.10
NetR7_1: R7.1 U2.19
NetR16_2: R16.2 U2.1
NetR17_2: R17.2 U2.5
NetR20_1: R20.1 R21.2 U3.9
NetR26_1: R26.1 R27.2 U3.23
NetR28_2: R28.2 U3.10
NetR29_2: R29.2 U3.22
NetR34_2: R34.2 U9.28
NetR35_2: R35.2 U9.27
NetR37_2: R37.2 R38.1 U11.2
NetR44_1: R44.1 U6.6
NetR65_1: R65.1 R66.1 U13.12